# Altium PCB DIO_MCX_Isolated_mezzanine.PCBDOC (part 2 of 3)
Units mm, origin at the board's own origin, x right, y up, seen from the top; angles counter-clockwise.
Board outline 139 x 100 mm, 4 copper layers (L1, P2, P3, L4), stack 1.571 mm thick; 239 components, 136 nets, 884 pads, 299 vias.
Unrouted connection lines stored in the file: 1.
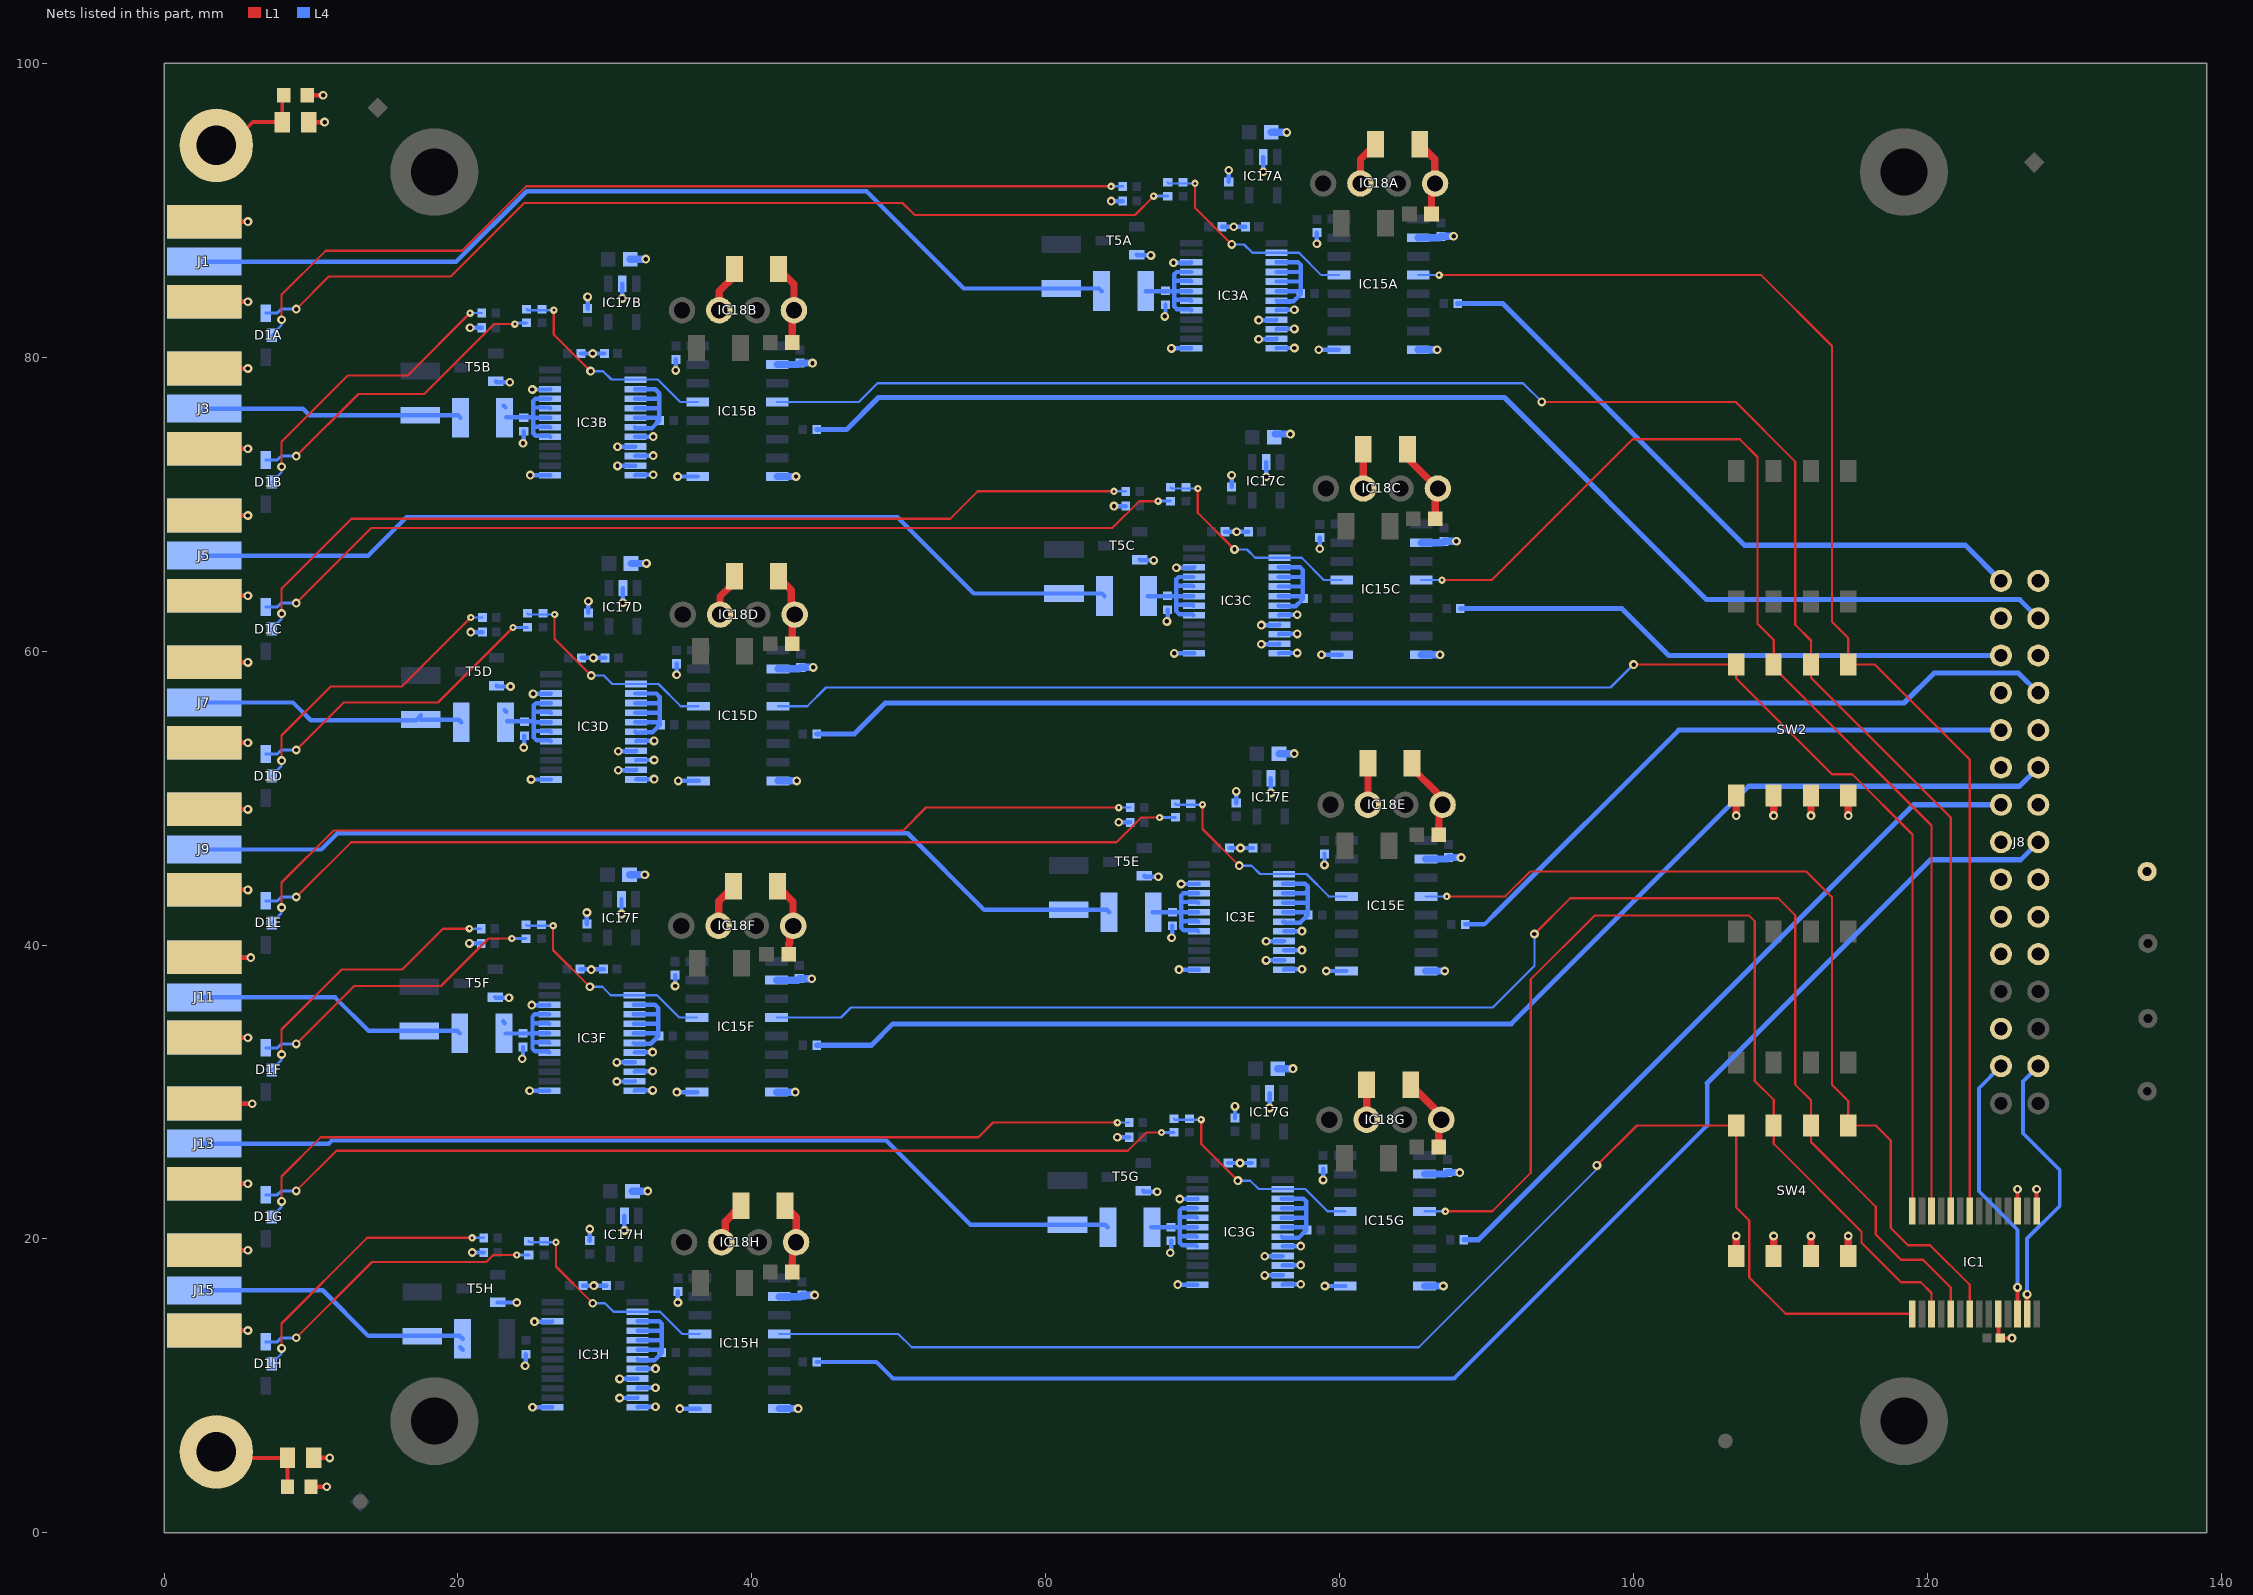
[diagram p4: the nets of this part, all layers, seen from the top]

## Part data
B1 B2 B3 B4: library part PLATED_HOLE0.6_PAD1.3, "Single Terminal Socket", Author="CERN DEM MR", ComponentHeight=0mm, Component Type="Standard (No BOM)", CreateDate=02.03.2016, Family="Plated Hole", HelpURL=Undefined, LatestRevisionDate=02.03.2016, Mounted=No, PackageDescription="Plated Through Hole: Hole Dia.=0.6mm Pad Dia.=1.3mm", Part Description="Plated Through Hole: Hole Dia.=0.6mm Pad Dia.=1.3mm", Part Number=PLATED_HOLE0.6_PAD1.3, Pin Count=1, Sense=No, SMD=No, Socket=No, Status=None
B15 B16: library part PLATED_HOLE2.7_PAD5.0, "Single Terminal Socket", Author="CERN DEM JMW", ComponentHeight=0mm, Component Type="Standard (No BOM)", CreateDate=27.09.2011, Family="Plated Hole", HelpURL=Undefined, LatestRevisionDate=27.09.2011, Mounted=No, PackageDescription="Plated Through Hole: Hole Dia.=2.7mm Pad Dia.=5.0mm", Part Description="Plated Through Hole: Hole Dia.=2.7mm Pad Dia.=5.0mm", Part Number=PLATED_HOLE2.7_PAD5.0, Pin Count=1, Sense=No, SMD=No, Socket=No, Status=None
C1 C31A C31B C31C C31D C31E C31F C31G C31H C32A C32B C32C C32D C32E C32F C32G C32H C33A C33B C33C C33D C33E C33F C33G C33H C36A C36B C36C C36D C36E C36F C36G C36H: library part CC0402_100NF_50V_10%_X7R, "Non-polarised capacitor", Case=0402, Manufacturer=GENERIC, Manufacturer1 ComponentHeight=0.55mm, Manufacturer1 Example=MURATA, Manufacturer1 Part Number=GRM155R71H104KE14D, Tolerance=±10%, Voltage=50V, Author="CERN DEM MR", Component Type=Standard, CreateDate=30.06.2017, HelpURL=\\cern.ch\dfs\Applications\Altium\Datasheets\CC0402_MURATA_GRM155R71H104KE14D.pdf, LatestRevisionDate=30.06.2017, Manufacturer Part Number=CC0402_100NF_50V_10%_X7R, Mounted=Yes, Part Description="SMD Multilayer Chip Ceramic Capacitor", Part Number=CC0402_100NF_50V_10%_X7R, Pin Count=2, Sense=No, SMD=Yes, Socket=No, Status=None, TC=X7R
C2A C2B C2C C2D C2E C2F C2G C2H C3A C3B C3C C3D C3E C3F C3G C3H: library part CC0603_10UF_16V_20%_X5R, "Non-polarised capacitor", Case=0603, Manufacturer=GENERIC, Manufacturer1 ComponentHeight=0.8mm, Manufacturer1 Example=MURATA, Manufacturer1 Part Number=GRM188R61C106MA73D, Tolerance=±20%, Voltage=16V, Author="CERN DEM MR", Component Type=Standard, CreateDate=02.03.2016, HelpURL=\\cern.ch\dfs\Applications\Altium\Datasheets\CC0603_X5R_MURATA_GRM.pdf, LatestRevisionDate=02.03.2016, Manufacturer Part Number=CC0603_10UF_16V_20%_X5R, Mounted=Yes, Part Description="SMD Multilayer Chip Ceramic Capacitor", Part Number=CC0603_10UF_16V_20%_X5R, Pin Count=2, Sense=No, SMD=Yes, Socket=No, Status=None, TC=X5R
C4A C4B C4C C4D C4E C4F C4G C4H C5A C5B C5C C5D C5E C5F C5G C5H: library part CC1206_100PF_2KV_5%_C0G, "Non-polarised capacitor", Case=1206, Manufacturer=GENERIC, Manufacturer1 ComponentHeight=1.8mm, Manufacturer1 Example=AVX, Manufacturer1 Part Number=1206GA101JAT2A, Tolerance=±5%, Voltage=2kV, Author="CERN DEM JLC", Component Type=Standard, CreateDate=17.05.2017, HelpURL=\\cern.ch\dfs\Applications\Altium\Datasheets\CC1206_C0G_AVX_HV-MLC.pdf, LatestRevisionDate=17.05.2017, Manufacturer Part Number=CC1206_100PF_2KV_5%_C0G, Mounted=Yes, Part Description="High Voltage MLC Chip Capacitor", Part Number=CC1206_100PF_2KV_5%_C0G, Pin Count=2, Sense=No, SMD=Yes, Socket=No, Status=None, TC=C0G/NP0
C21 C22: library part CC0805_NO-VALUE, "Non-polarised capacitor", Case=0805, Manufacturer1 ComponentHeight=1.35mm, Author="CERN DEM JLC", Component Type=Standard, CreateDate=10.12.2008, HelpURL=Undefined, LatestRevisionDate=11.09.2013, Manufacturer=Undefined, Manufacturer Part Number=CC0805_NO-VALUE, Mounted=No, Part Description="Reserved Footprint For 0805(2012) Chip Ceramic Capacitor", Part Number=CC0805_NO-VALUE, Pin Count=2, Sense=No, SMD=Yes, Socket=No, Status=None
C34A C34B C34C C34D C34E C34F C34G C34H: library part CC0402_1UF_16V_10%_X5R, "Non-polarised capacitor", Case=0402, Manufacturer=GENERIC, Manufacturer1 ComponentHeight=0.55mm, Manufacturer1 Example=TDK, Manufacturer1 Part Number=C1005X5R1C105KT, Tolerance=±10%, Voltage=16V, Author="CERN DEM JLC", Component Type=Standard, CreateDate=25.10.2012, HelpURL=\\cern.ch\dfs\Applications\Altium\Datasheets\CC0402_X5R_TDK_C.pdf, LatestRevisionDate=25.10.2012, Manufacturer Part Number=CC0402_1UF_16V_10%_X5R, Mounted=Yes, Part Description="SMD Multilayer Chip Ceramic Capacitor", Part Number=CC0402_1UF_16V_10%_X5R, Pin Count=2, Sense=No, SMD=Yes, Socket=No, Status=Preferred, TC=X5R
D1A D1B D1C D1D D1E D1F D1G D1H: library part 155124RG73200, "WL-SBSW SMT Bi-color Side View Waterclear, size 1204, Red & Green, 120deg", Emitting Color="Red & Green", Forward Voltage="3.3V@Green, 2V@Red", Operating Temperature="-40 to +85degC", Chip Technology="AlInGaP + InGaN", ComponentLink1Description=Manufacturer, ComponentLink1URL=http://www.we-online.de, ComponentLink2Description=Datasheet, ComponentLink2URL=https://katalog.we-online.de/led/datasheet/155124RG73200.pdf, Dominant Wavelength="525nm@Green, 624nm@Red", Luminous Intensity="160mcd@Green, 60mcd@Red", Mounting Technology=SMT, Packaging="Tape and Reel", Part Number=155124RG73200, Peak Wavelength="520nm@Green, 632nm@Red", Published Date="October 2019", Publisher="Wurth Elektronik", Size=1204, Viewing Angle=120deg
FTG3 FTG5 FTG8: library part FIDUCIAL_TARGET_S100-200, "Fiducial Target", Author="CERN DEM JLC", ComponentHeight=0mm, Component Type="Standard (No BOM)", CreateDate=09.02.2010, Family=Fiducial, HelpURL=Undefined, LatestRevisionDate=04.04.2012, Mounted=No, PackageDescription="Square Fiducial Target, Top Layer, 1.0mm, Top Solder 2.0mm, Keepout =2.0mm", Part Description="Square Fiducial Target, Top Layer, 1.0mm, Top Solder 2.0mm, Keepout =2.0mm", Part Number=FIDUCIAL_TARGET_S100-200, Pin Count=1, Sense=No, SMD=Yes, Socket=No, Status=None
FTG4 FTG6 FTG7: library part FIDUCIAL_TARGET_C100-200, "Fiducial Target", Author="CERN DEM JLC", ComponentHeight=0mm, Component Type="Standard (No BOM)", CreateDate=09.02.2010, Family=Fiducial, HelpURL=Undefined, LatestRevisionDate=04.04.2012, Mounted=No, PackageDescription="Round Fiducial Target, Top Layer, 1.0mm, Top Solder 2.0mm, Keepout =2.0mm", Part Description="Round Fiducial Target, Top Layer, 1.0mm, Top Solder 2.0mm, Keepout =2.0mm", Part Number=FIDUCIAL_TARGET_C100-200, Pin Count=1, Sense=No, SMD=Yes, Socket=No, Status=None
IC1: "16-bit I/O Port Expander With Serial Interface", Case=SSOP28, Manufacturer="MICROCHIP TECHNOLOGY", Author="CERN DEM JLC", Bonding=No, ComponentHeight=2mm, Component Type=Standard, CreateDate=17/01/2011, Device=MCP23017-E/SS, HelpURL=\\cern.ch\dfs\Applications\Altium\Datasheets\MCP23017-E-SS.pdf, LatestRevisionDate=17/01/2011, Manufacturer Part Number=MCP23017-E/SS, Mounted=Yes, PackageDescription="SOP, 0.65mm Pitch; 28 pin, 5.30mm W X 10.20mm L X 2.00mm H body, IPC Medium Density", Part Description="16-bit I/O Port Expander With Serial Interface", Part Number=MCP23017-E/SS, Pin Count=28, PressFit=No, Sense=No, SMD=Yes, Socket=No
IC3A IC3B IC3C IC3D IC3E IC3F IC3G IC3H: "8-Bit Dual-Supply Bus Transceiver With Configurable Voltage Translation and 3-State Outputs", Case=TSSOP24, Manufacturer="TEXAS INSTRUMENTS", Author="CERN DEM JLC", Bonding=No, ComponentHeight=1.2mm, Component Type=Standard, CreateDate=02.09.2009, Device=SN74LVC8T245PW, HelpURL=\\cern.ch\dfs\Applications\Altium\Datasheets\SN74LVC8T245PW.pdf, LatestRevisionDate=02.09.2009, Manufacturer Part Number=SN74LVC8T245PW, Mounted=Yes, PackageDescription="SOP, 0.65mm Pitch; 24 Pin, 4.40mm W X 7.80mm L X 1.20mm H Body, IPC Medium Density", Part Description="8-Bit Dual-Supply Bus Transceiver With Configurable Voltage Translation and 3-State Outputs", Part Number=SN74LVC8T245PW, Pin Count=24, PressFit=No, Sense=No, SMD=Yes, Socket=No
IC15A IC15B IC15C IC15D IC15E IC15F IC15G IC15H: "Low Power Five-Channel Digital Isolator", Case=SOIC16, Manufacturer="SILICON LABS", Author="CERN DEM JLC", Bonding=No, ComponentHeight=1.75mm, Component Type=Standard, CreateDate=31.10.2013, Device=SI8651BB-B-IS1, HelpURL=\\cern.ch\dfs\Applications\Altium\Datasheets\SI8651BB-B-IS1.pdf, LatestRevisionDate=31.10.2013, Manufacturer Part Number=SI8651BB-B-IS1, Mounted=Yes, PackageDescription="SOIC 16, Pitch 1.27mm - Body 4x10mm, IPC Medium Density", Part Description="2.5kV 150Mbps Low Power Five-Channel Digital Isolator", Part Number=SI8651BB-B-IS1, Pin Count=16, PressFit=No, Sense=No, SMD=Yes, Socket=No
IC17A IC17B IC17C IC17D IC17E IC17F IC17G IC17H: "600mA CMOS Low Dropout Linear Regulator with Enable", Case=SOT25, Manufacturer="DIODES INCORPORATED", Author="CERN DEM MR", Bonding=No, ComponentHeight=1.4mm, Component Type=Standard, CreateDate=13.12.2017, Device=AP2112K-3.3TRG1, HelpURL=\\cern.ch\dfs\Applications\Altium\Datasheets\AP2112K-3.3TRG1.pdf, LatestRevisionDate=13.12.2017, Manufacturer Part Number=AP2112K-3.3TRG1, Mounted=Yes, PackageDescription="SOT23, 0.95mm Pitch; 5 Pin, 1.6mm W X 3.0mm L X 1.40mm H body, IPC Medium Density", Part Description="3.3V 600mA CMOS Low Dropout Linear Regulator with Enable", Part Number=AP2112K-3.3TRG1, Pin Count=5, PressFit=No, Sense=No, SMD=Yes, Socket=No
IC18A IC18B IC18C IC18D IC18E IC18F IC18G IC18H: "RECOM, RFM Serie, Single Output DCDC Converter", Manufacturer=RECOM, Author="CERN DEM BC", Bonding=No, ComponentHeight=10.5mm, Component Type=Standard, CreateDate=16.07.2020, Device=RFM-0505S, HelpURL=\\cern.ch\dfs\Applications\Altium\Datasheets\RFM-0505S.pdf, LatestRevisionDate=16.07.2020, Manufacturer Part Number=RFM-0505S, Mounted=Yes, PackageDescription="RFM Series, Body 11.5 x 6.00mm, SIP-4 Package", Part Description="5V ±10% to 5V, Iout (max) 200mA, 1W DC-DC Converter", Part Number=RFM-0505S, Pin Count=4, PressFit=No, Sense=No, SMD=No, Socket=No
J1 J3 J5 J7 J9 J11 J13 J15: library part BELFUSE_133-3701-801, Manufacturer=BEL, Manufacturer Part Number=133-3701-801, Author="CERN DEM MR", ComponentHeight=3.53mm, Component Type=Standard, CreateDate=21.10.2019, Family=MCX, HelpURL=\\cern.ch\dfs\Applications\Altium\Datasheets\BEL_133-3701-801.pdf, LatestRevisionDate=21.10.2019, Mounted=Yes, Part Description="MCX Jack, End Launch Straight Receptacle - Tab Contact, For 1.6mm Thickness Board", Part Number=BELFUSE_133-3701-801, Pin Count=2, PressFit=No, Sense=No, SMD=No, Socket=No, Status=None
J8: "Connector 2.54mm, 30 pin female, vertical, 7mm, AMPMODU HV-100/HV-190", Manufacturer="TYCO ELECTRONICS", Manufacturer Part Number=1-215307-5, Part Number=TYCO_1-215307-5, Author=GK, ComponentHeight=22.86mm, Component Type=Standard, CreateDate=05.10.2015, Family=AMPMODU, HelpURL=\\cern.ch\dfs\Applications\Altium\Datasheets\TYCO_3-1761606-1.pdf, LatestRevisionDate=05.10.2015, Mounted=Yes, Part Description="34 Contacts, Dual Row Vertical Low Profile IDC Shrouded Header, with Long Eject Latch", Pin Count=30, PressFit=No, Sense=No, SMD=No, Socket=No, Status=None
LP1A LP1B LP1C LP1D LP1E LP1F LP1G LP1H: "LED Light_pipe_2.3x8mm", Manufacturer=FIX&FASTEN, Manufacturer Part Number=FIX-LEMB2-8V0-F, Part Number=FIX&FASTEN-LEMB2-8V0-F, Author=GK, Bonding=No, ComponentHeight=2.3mm, Component Type=Standard, CreateDate=24.01.2017, HelpURL=\\cern.ch\dfs\Applications\Altium\Datasheets\LEDLP_DIALIGHT_515-1049F.pdf, LatestRevisionDate=24.01.2017, Mounted=Yes, PackageDescription="Right Angle Single Element 2.3mmx8mm Round Lightpipe", Part Description="Right Angle Single Element 2.3x8mm Round Lightpipe", Pin Count=0, PressFit=No, Sense=No, SMD=No, Socket=No
R1A R1B R1C R1D R1E R1F R1G R1H: library part R0402_33R_1%_0.0625W_100PPM, "Resistor - 1%", Case=0402, Manufacturer=GENERIC, Manufacturer1 ComponentHeight=0.4mm, Manufacturer1 Example="YAGEO PHYCOMP", Manufacturer1 Part Number=232270673309L, Power=0.0625W, Tolerance=±1%, Author="CERN DEM JLC", Component Type=Standard, CreateDate=03.12.2007, HelpURL=\\cern.ch\dfs\Applications\Altium\Datasheets\R0402_Phycomp_RC0402.pdf, LatestRevisionDate=17.10.2012, Manufacturer Part Number=R0402_33R_1%_0.0625W_100PPM, Mounted=Yes, Part Description="General Purpose Thick Film Chip Resistor", Part Number=R0402_33R_1%_0.0625W_100PPM, Pin Count=2, PressFit=No, Sense=No, SMD=Yes, Socket=No, Status="Not Recommended", TC=±100ppm/°C
R60 R61: library part R0603_0R_JUMPER, "Resistor", Case=0603, Manufacturer=GENERIC, Manufacturer1 ComponentHeight=0.55mm, Manufacturer1 Example="NIC COMPONENT", Manufacturer1 Part Number=NRC06Z0, Author="CERN DEM JLC", Component Type=Standard, CreateDate=03.12.2007, HelpURL=\\cern.ch\dfs\Applications\Altium\Datasheets\R0603_NIC_NRC.pdf, LatestRevisionDate=13.03.2008, Manufacturer Part Number=R0603_0R_JUMPER, Mounted=Yes, Part Description="1A (0.05R Max DC Resistance) Zero Ohm Jumper", Part Number=R0603_0R_JUMPER, Pin Count=2, PressFit=No, Sense=No, SMD=Yes, Socket=No, Status=Preferred
R61A R61B R61C R61D R61E R61F R61G R61H R65A R65B R65C R65D R65E R65F R65G R65H R67A R67B R67C R67D R67E R67F R67G R67H: library part R0402_10K_1%_0.0625W_100PPM, "Resistor - 1%", Case=0402, Manufacturer=GENERIC, Manufacturer1 ComponentHeight=0.4mm, Manufacturer1 Example="YAGEO PHYCOMP", Manufacturer1 Part Number=232270671003L, Power=0.0625W, Tolerance=±1%, Author="CERN DEM JLC", Component Type=Standard, CreateDate=03.12.2007, HelpURL=\\cern.ch\dfs\Applications\Altium\Datasheets\R0402_Phycomp_RC0402.pdf, LatestRevisionDate=17.10.2012, Manufacturer Part Number=R0402_10K_1%_0.0625W_100PPM, Mounted=Yes, Part Description="General Purpose Thick Film Chip Resistor", Part Number=R0402_10K_1%_0.0625W_100PPM, Pin Count=2, Sense=No, SMD=Yes, Socket=No, TC=±100ppm/°C
  R61A R61B R61C R61D R61E R61F R61G R61H R67A R67B R67C R67D R67E R67F R67G R67H: PressFit=No, Status="Not Recommended"
  R65A R65B R65C R65D R65E R65F R65G R65H: Status="Not recommended"
R62A R62B R62C R62D R62E R62F R62G R62H: library part R1210_30R_5%_0.5W_200PPM, "Resistor - 5%", Case=1210, Manufacturer=VISHAY, Manufacturer Part Number=CRCW121030R0JNEA, Part Number=R1210_30R_5%_0.5W_200ppm, Power=0.5W, Tolerance=±5%, Author="CERN DEM JMW", ComponentHeight=0.6mm, Component Type=Standard, CreateDate=06.08.2014, HelpURL=\\cern.ch\dfs\Applications\Altium\Datasheets\R1210_VISHAY_CRCW1210.pdf, LatestRevisionDate=06.08.2014, Mounted=Yes, Part Description="Thick Film Chip Resistor", Pin Count=2, PressFit=No, Sense=No, SMD=Yes, Socket=No, Status=None, TC=±200ppm/°C
R63A R63B R63C R63D R63E R63F R63G R63H: library part R0402_22R_1%_0.0625W_100PPM, "Resistor - 1%", Case=0402, Manufacturer=GENERIC, Manufacturer1 ComponentHeight=0.4mm, Manufacturer1 Example="YAGEO PHYCOMP", Manufacturer1 Part Number=232270672209L, Power=0.0625W, Tolerance=±1%, Author="CERN DEM JLC", Component Type=Standard, CreateDate=03.12.2007, HelpURL=\\cern.ch\dfs\Applications\Altium\Datasheets\R0402_Phycomp_RC0402.pdf, LatestRevisionDate=17.10.2012, Manufacturer Part Number=R0402_22R_1%_0.0625W_100PPM, Mounted=Yes, Part Description="General Purpose Thick Film Chip Resistor", Part Number=R0402_22R_1%_0.0625W_100PPM, Pin Count=2, PressFit=No, Sense=No, SMD=Yes, Socket=No, Status="Not Recommended", TC=±100ppm/°C
R64A R64B R64C R64D R64E R64F R64G R64H: library part R1210_49R9_1%_0.5W_100PPM_VISHAY_CRCW, "Resistor - 1%", Case=1210, Manufacturer="VISHAY DRALORIC", Manufacturer Part Number=CRCW121049R9FKTA, Power=0.5W, Tolerance=±1%, Author="CERN DEM JMW", ComponentHeight=0.6mm, Component Type=Standard, CreateDate=06.08.2014, HelpURL=\\cern.ch\dfs\Applications\Altium\Datasheets\R1210_VISHAY_CRCW1210.pdf, LatestRevisionDate=06.08.2014, Mounted=Yes, Part Description="Thick Film Chip Resistor", Part Number=R1210_49R9_1%_0.5W_100PPM_VISHAY_CRCW, Pin Count=2, Sense=No, SMD=Yes, Socket=No, Status=None, TC=±100ppm/°C
R66A R66B R66C R66D R66E R66F R66G R66H R69A R69B R69C R69D R69E R69F R69G R69H: library part R0402_1K_1%_0.0625W_100PPM, "Resistor - 1%", Case=0402, Manufacturer=GENERIC, Manufacturer1 ComponentHeight=0.4mm, Manufacturer1 Example="YAGEO PHYCOMP", Manufacturer1 Part Number=232270671002L, Power=0.0625W, Tolerance=±1%, Author="CERN DEM JLC", Component Type=Standard, CreateDate=03.12.2007, HelpURL=\\cern.ch\dfs\Applications\Altium\Datasheets\R0402_Phycomp_RC0402.pdf, LatestRevisionDate=17.10.2012, Manufacturer Part Number=R0402_1K_1%_0.0625W_100PPM, Mounted=Yes, Part Description="General Purpose Thick Film Chip Resistor", Part Number=R0402_1K_1%_0.0625W_100PPM, Pin Count=2, PressFit=No, Sense=No, SMD=Yes, Socket=No, Status="Not Recommended", TC=±100ppm/°C
SCREW5 SCREW6 SCREW7 SCREW8: library part BOSSARD_BN5687-3061605_v, "Screw", Manufacturer=BOSSARD, Manufacturer Part Number="BN5687 Art.3061605", Author="CERN DEM JLC", ComponentHeight=2.4mm, Component Type=Mechanical, CreateDate=15.01.2013, HelpURL=\\cern.ch\dfs\Applications\Altium\Datasheets\BOSSARD_BN5687-3061605.pdf, LatestRevisionDate=15.01.2013, Mounted=Yes, PackageDescription="M3 L=6mm Hexalobular Socket Pan Head Screw, Fully Threaded - Stainless Steel A2", Part Description="M3 L=6mm Hexalobular Socket Pan Head Screw, Fully Threaded, Stainless Steel A2", Part Number=BOSSARD_BN5687-3061605_v, Pin Count=0, PressFit=No, Sense=No, SMD=No, Socket=No, Status=None
SW1 SW2 SW3 SW4: library part SW_OMRON_A6S-4102-H, "4 Ways SPST DIP Switch", Manufacturer=OMRON, Manufacturer Part Number=A6S-4102-H, Author="CERN DEM JMW", ComponentHeight=3.8mm, Component Type=Standard, CreateDate=25.09.2008, Family=Switch, HelpURL=\\cern.ch\dfs\Applications\Altium\Datasheets\SW_OMRON_A6S-4102-H.pdf, LatestRevisionDate=25.09.2008, Mounted=Yes, PackageDescription="Pitch 2.54mm, Body 11.3x6.4mm, 4 Ways SPST Surface-Mounting DIP Switch, OMRON A6S-H", Part Description="4 Ways SPST DIP Switch, White Flat Actuator with Seal Tape, Contact Rating 25mA 24VDC", Part Number=SW_OMRON_A6S-4102-H, Pin Count=8, PressFit=No, Sense=No, SMD=Yes, Socket=No, Status=None
T5A T5B T5C T5D T5E T5F T5G T5H: "N-CHANNEL MOSFET WITH DIODE", Case=SOT23-3, Manufacturer="ON SEMICONDUCTOR", Author="CERN DEM JLC", Bonding=No, ComponentHeight=1.11mm, Component Type=Standard, CreateDate=23.03.2009, Device=BSS138LT1G, HelpURL=\\cern.ch\dfs\Applications\Altium\Datasheets\BSS138LT1G.pdf, LatestRevisionDate=23.03.2009, Manufacturer Part Number=BSS138LT1G, Mounted=Yes, PackageDescription="SOT23 3-Leads, Pitch 0.95mm - Body 1.4x3mm, IPC Medium Density", Part Description="50V 200mA N-Channel Enhancement Mode Field-Effect Transistor", Part Number=BSS138LT1G, Pin Count=3, PressFit=No, Sense=No, SMD=Yes, Socket=No
WASHER1 WASHER2 WASHER3 WASHER4: "Washer, M3x0.3x6", Manufacturer=BOSSARD, Manufacturer Part Number=B3/6/0.3/BN1976, Part Number=BOSSARD_B3/6/0.3/BN1976, Author=GK, ComponentHeight=0.5mm, Component Type=Mechanical, CreateDate=08.03.2018, HelpURL=\\cern.ch\dfs\Applications\Altium\Datasheets\BOSSARD_BN1074-1404830.pdf, LatestRevisionDate=08.03.2018, Mounted=Yes, PackageDescription="Flat Washer without Chamfer for M3 Screw, steel", Part Description="Flat Washer without Chamfer for M3 Screw, Steel", Pin Count=0, PressFit=No, Sense=No, SMD=No, Socket=No, Status=None

## Free pads (board coordinates)
  round 6 hole 3.2: 0(118.4,7.6) 1(118.4,92.6) 2(18.4,92.6) 3(18.4,7.6)

## Via types
v1: diameter 0.6, hole 0.3, L1 to L4, tented both sides, 259 vias
v2: diameter 0.5, hole 0.2, L1 to L4, tented both sides, 40 vias
